# KiCad board panelized.kicad_pcb (continued)
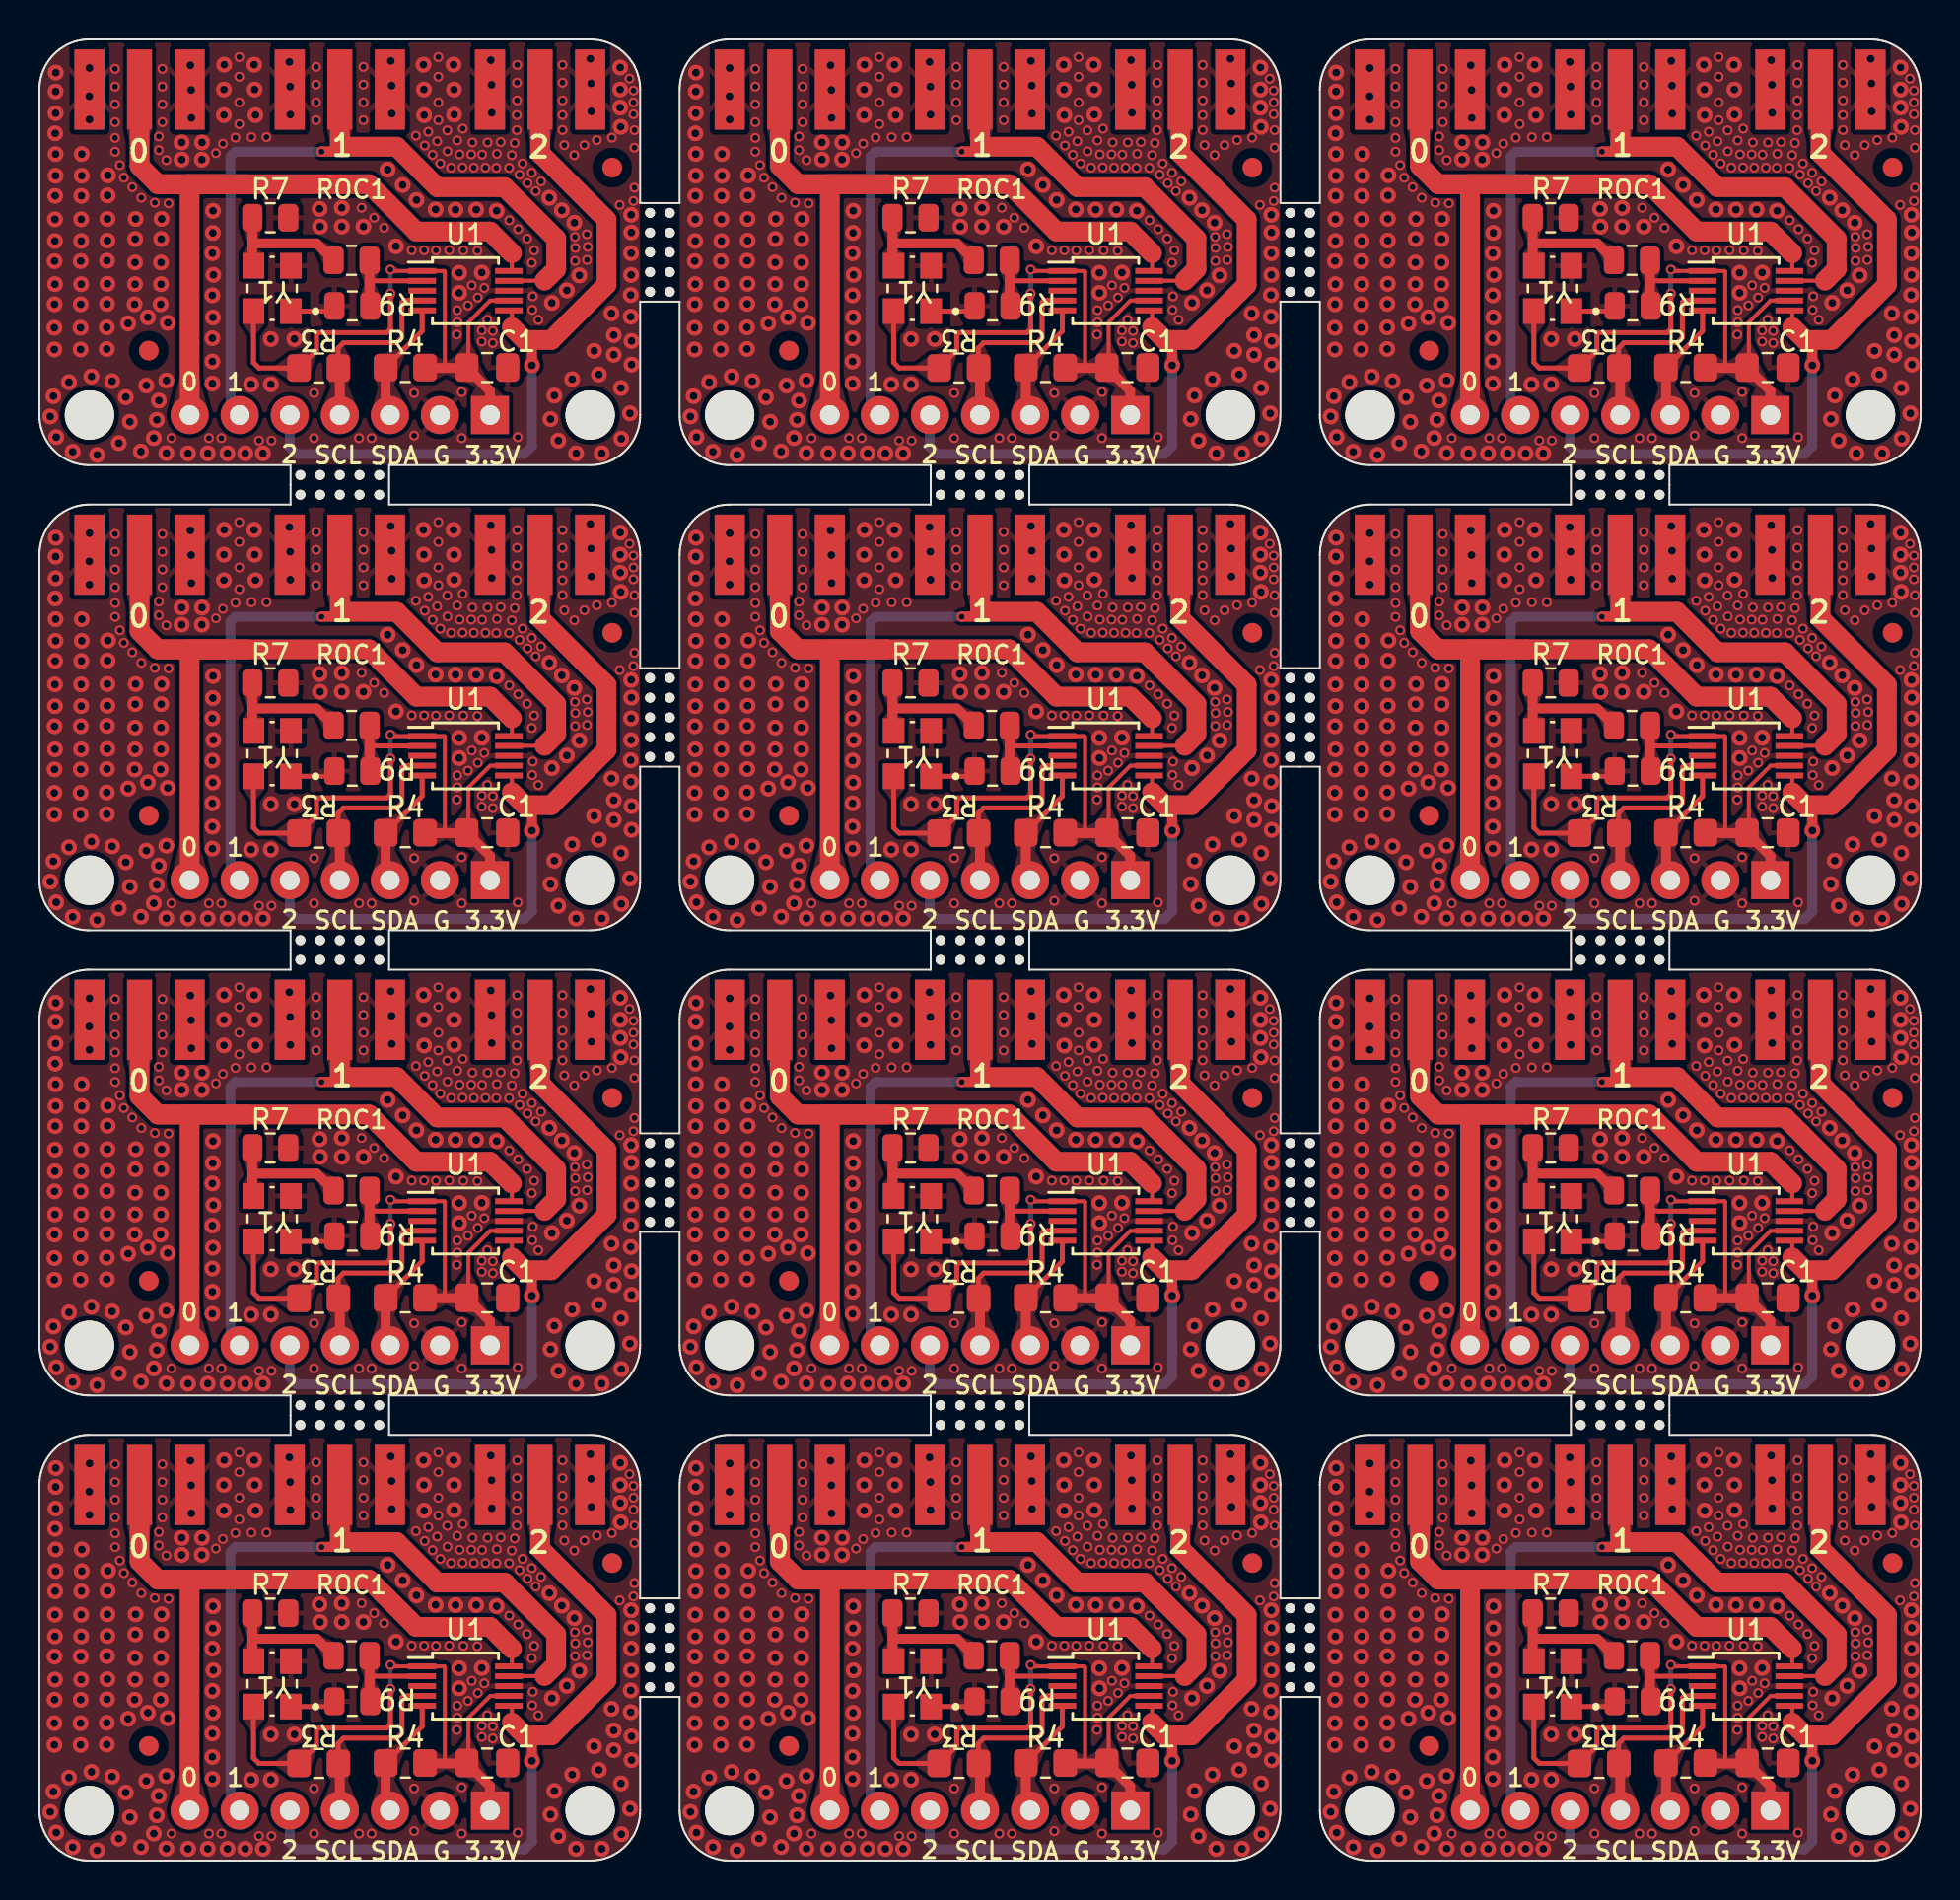
[diagram p0: board, top side]
## Placement (name value [footprint] x y rotation side) (continued)
REF**#39  -  [NPTH]  63.46 8.8 0 top
REF**#40  -  [NPTH]  79.2 69.27 0 top
REF**#41  -  [NPTH]  31.98 81.56 0 top
REF**#42  -  [NPTH]  31.98 32.39 0 top
REF**#43  -  [NPTH]  46.72 45.68 0 top
REF**#44  -  [NPTH]  47.72 23.09 0 top
REF**#45  -  [NPTH]  13.24 69.27 0 top
REF**#46  -  [NPTH]  48.72 45.68 0 top
REF**#47  -  [NPTH]  46.72 70.27 0 top
REF**#48  -  [NPTH]  47.72 22.09 0 top
REF**#49  -  [NPTH]  45.72 46.68 0 top
REF**#50  -  [NPTH]  31.98 34.39 0 top
REF**#51  -  [NPTH]  30.98 35.39 0 top
REF**#52  -  [NPTH]  79.2 46.68 0 top
REF**#53  -  [NPTH]  78.2 70.27 0 top
REF**#54  -  [NPTH]  30.98 80.56 0 top
REF**#55  -  [NPTH]  16.24 22.09 0 top
REF**#56  -  [NPTH]  80.2 23.09 0 top
REF**#57  -  [NPTH]  48.72 69.27 0 top
REF**#58  -  [NPTH]  79.2 23.09 0 top
REF**#59  -  [NPTH]  31.98 33.39 0 top
REF**#60  -  [NPTH]  31.98 11.8 0 top
REF**#61  -  [NPTH]  64.46 34.39 0 top
REF**#62  -  [NPTH]  31.98 8.8 0 top
REF**#63  -  [NPTH]  64.46 79.56 0 top
REF**#64  -  [NPTH]  30.98 58.98 0 top
REF**#65  -  [NPTH]  63.46 80.56 0 top
REF**#66  -  [NPTH]  15.24 23.09 0 top
REF**#67  -  [NPTH]  47.72 69.27 0 top
REF**#68  -  [NPTH]  64.46 83.56 0 top
REF**#69  -  [NPTH]  15.24 45.68 0 top
REF**#70  -  [NPTH]  15.24 22.09 0 top
REF**#71  -  [NPTH]  63.46 55.98 0 top
REF**#72  -  [NPTH]  64.46 8.8 0 top
REF**#73  -  [NPTH]  31.98 83.56 0 top
REF**#74  -  [NPTH]  49.72 45.68 0 top
REF**#75  -  [NPTH]  31.98 59.98 0 top
REF**#76  -  [NPTH]  80.2 70.27 0 top
REF**#77  -  [NPTH]  64.46 82.56 0 top
REF**#78  -  [NPTH]  64.46 33.39 0 top
REF**#79  -  [NPTH]  63.46 36.39 0 top
REF**#80  -  [NPTH]  14.24 23.09 0 top
REF**#81  -  [NPTH]  63.46 79.56 0 top
REF**#82  -  [NPTH]  30.98 8.8 0 top
REF**#83  -  [NPTH]  78.2 45.68 0 top
REF**#84  -  [NPTH]  31.98 80.56 0 top
REF**#85  -  [NPTH]  31.98 56.98 0 top
REF**#86  -  [NPTH]  17.24 23.09 0 top
REF**#87  -  [NPTH]  13.24 45.68 0 top
REF**#88  -  [NPTH]  81.2 69.27 0 top
REF**#89  -  [NPTH]  17.24 69.27 0 top
REF**#90  -  [NPTH]  14.24 46.68 0 top
REF**#91  -  [NPTH]  79.2 22.09 0 top
REF**#92  -  [NPTH]  31.98 35.39 0 top
REF**#93  -  [NPTH]  31.98 82.56 0 top
REF**#94  -  [NPTH]  49.72 22.09 0 top
REF**#95  -  [NPTH]  81.2 70.27 0 top
REF**#96  -  [NPTH]  16.24 46.68 0 top
REF**#97  -  [NPTH]  45.72 23.09 0 top
REF**#98  -  [NPTH]  63.46 34.39 0 top
REF**#99  -  [NPTH]  82.2 23.09 0 top
REF**#100  -  [NPTH]  17.24 45.68 0 top
REF**#101  -  [NPTH]  13.24 23.09 0 top
REF**#102  -  [NPTH]  79.2 70.27 0 top
REF**#103  -  [NPTH]  31.98 57.98 0 top
REF**#104  -  [NPTH]  81.2 45.68 0 top
REF**#105  -  [NPTH]  48.72 70.27 0 top
REF**#106  -  [NPTH]  63.46 58.98 0 top
REF**#107  -  [NPTH]  64.46 59.98 0 top
REF**#108  -  [NPTH]  48.72 23.09 0 top
REF**#109  -  [NPTH]  16.24 45.68 0 top
REF**#110  -  [NPTH]  45.72 70.27 0 top
REF**#111  -  [NPTH]  64.46 58.98 0 top
REF**#112  -  [NPTH]  17.24 46.68 0 top
REF**#113  -  [NPTH]  63.46 35.39 0 top
REF**#114  -  [NPTH]  47.72 45.68 0 top
REF**#115  -  [NPTH]  30.98 36.39 0 top
REF**#116  -  [NPTH]  64.46 11.8 0 top
REF**#117  -  [NPTH]  30.98 59.98 0 top
REF**#118  -  [NPTH]  63.46 32.39 0 top
REF**#119  -  [NPTH]  81.2 22.09 0 top
REF**#120  -  [NPTH]  64.46 56.98 0 top
REF**#121  -  [NPTH]  17.24 70.27 0 top
REF**#122  -  [NPTH]  13.24 22.09 0 top
REF**#123  -  [NPTH]  46.72 69.27 0 top
REF**#124  -  [NPTH]  30.98 81.56 0 top
REF**#125  -  [NPTH]  63.46 11.8 0 top
REF**#126  -  [NPTH]  15.24 69.27 0 top
REF**#127  -  [NPTH]  63.46 10.8 0 top
REF**#128  -  [NPTH]  63.46 56.98 0 top
REF**#129  -  [NPTH]  30.98 10.8 0 top
REF**#130  -  [NPTH]  64.46 32.39 0 top
REF**#131  -  [NPTH]  46.72 46.68 0 top
REF**#132  -  [NPTH]  64.46 12.8 0 top
REF**#133  -  [NPTH]  16.24 69.27 0 top
REF**#134  -  [NPTH]  14.24 69.27 0 top
REF**#135  -  [NPTH]  30.98 79.56 0 top
REF**#136  -  [NPTH]  14.24 70.27 0 top
REF**#137  -  [NPTH]  31.98 36.39 0 top
REF**#138  -  [NPTH]  78.2 22.09 0 top
REF**#139  -  [NPTH]  30.98 56.98 0 top
REF**#140  -  [NPTH]  15.24 46.68 0 top
REF**#141  -  [NPTH]  13.24 46.68 0 top
REF**#142  -  [NPTH]  47.72 70.27 0 top
REF**#143  -  [NPTH]  64.46 35.39 0 top
REF**#144  -  [NPTH]  16.24 70.27 0 top
REF**#145  -  [NPTH]  15.24 70.27 0 top
REF**#146  -  [NPTH]  64.46 10.8 0 top
REF**#147  -  [NPTH]  49.72 70.27 0 top
REF**#148  -  [NPTH]  64.46 57.98 0 top
REF**#149  -  [NPTH]  49.72 23.09 0 top
REF**#150  -  [NPTH]  78.2 69.27 0 top
REF**#151  -  [NPTH]  31.98 79.56 0 top
REF**#152  -  [NPTH]  46.72 22.09 0 top
REF**#153  -  [NPTH]  30.98 82.56 0 top
REF**#154  -  [NPTH]  63.46 81.56 0 top
REF**#155  -  [NPTH]  48.72 46.68 0 top
REF**#156  -  [NPTH]  13.24 70.27 0 top
REF**#157  -  [NPTH]  78.2 23.09 0 top
REF**#158  -  [NPTH]  16.24 23.09 0 top
REF**#159  -  [NPTH]  45.72 22.09 0 top
REF**#160  -  [NPTH]  30.98 11.8 0 top
REF**#161  -  [NPTH]  82.2 45.68 0 top
REF**#162  -  [NPTH]  63.46 57.98 0 top
REF**#163  -  [NPTH]  49.72 69.27 0 top
REF**#164  -  [NPTH]  78.2 46.68 0 top
REF**#165  -  [NPTH]  81.2 46.68 0 top
REF**#166  -  [NPTH]  80.2 46.68 0 top
REF**#167  -  [NPTH]  30.98 9.8 0 top
REF**#168  -  [NPTH]  63.46 9.8 0 top
REF**#169  -  [NPTH]  31.98 12.8 0 top
REF**#170  -  [NPTH]  64.46 55.98 0 top
ROC1  64.9E / 100nF  [R_0805_2012Metric]  15.84 10.39 0 top
ROC1#2  64.9E / 100nF  [R_0805_2012Metric]  48.32 10.39 0 top
ROC1#3  64.9E / 100nF  [R_0805_2012Metric]  80.8 81.16 0 top
ROC1#4  64.9E / 100nF  [R_0805_2012Metric]  48.32 57.57 0 top
ROC1#5  64.9E / 100nF  [R_0805_2012Metric]  80.8 33.98 0 top
ROC1#6  64.9E / 100nF  [R_0805_2012Metric]  15.84 33.98 0 top
ROC1#7  64.9E / 100nF  [R_0805_2012Metric]  80.8 57.57 0 top
ROC1#8  64.9E / 100nF  [R_0805_2012Metric]  48.32 81.16 0 top
ROC1#9  64.9E / 100nF  [R_0805_2012Metric]  48.32 33.98 0 top
ROC1#10  64.9E / 100nF  [R_0805_2012Metric]  80.8 10.39 0 top
ROC1#11  64.9E / 100nF  [R_0805_2012Metric]  15.84 81.16 0 top
ROC1#12  64.9E / 100nF  [R_0805_2012Metric]  15.84 57.57 0 top
U1  SI5351A  [MSOP-10_3x3mm_P0.5mm]  86.58 79.62 0 top
U1#2  SI5351A  [MSOP-10_3x3mm_P0.5mm]  54.1 56.03 0 top
U1#3  SI5351A  [MSOP-10_3x3mm_P0.5mm]  21.62 56.03 0 top
U1#4  SI5351A  [MSOP-10_3x3mm_P0.5mm]  21.62 8.85 0 top
U1#5  SI5351A  [MSOP-10_3x3mm_P0.5mm]  54.1 32.44 0 top
U1#6  SI5351A  [MSOP-10_3x3mm_P0.5mm]  54.1 8.85 0 top
U1#7  SI5351A  [MSOP-10_3x3mm_P0.5mm]  86.58 8.85 0 top
U1#8  SI5351A  [MSOP-10_3x3mm_P0.5mm]  86.58 32.44 0 top
U1#9  SI5351A  [MSOP-10_3x3mm_P0.5mm]  86.58 56.03 0 top
U1#10  SI5351A  [MSOP-10_3x3mm_P0.5mm]  54.1 79.62 0 top
U1#11  SI5351A  [MSOP-10_3x3mm_P0.5mm]  21.62 32.44 0 top
U1#12  SI5351A  [MSOP-10_3x3mm_P0.5mm]  21.62 79.62 0 top
X1  ~  [SMA_EDGELAUNCH_Same]  5.08 68.26 270 top
X1#2  ~  [SMA_EDGELAUNCH_Same]  5.08 91.85 270 top
X1#3  ~  [SMA_EDGELAUNCH_Same]  5.08 21.08 270 top
X1#4  ~  [SMA_EDGELAUNCH_Same]  37.56 68.26 270 top
X1#5  ~  [SMA_EDGELAUNCH_Same]  37.56 44.67 270 top
X1#6  ~  [SMA_EDGELAUNCH_Same]  37.56 91.85 270 top
X1#7  ~  [SMA_EDGELAUNCH_Same]  70.04 91.85 270 top
X1#8  ~  [SMA_EDGELAUNCH_Same]  37.56 21.08 270 top
X1#9  ~  [SMA_EDGELAUNCH_Same]  5.08 44.67 270 top
X1#10  ~  [SMA_EDGELAUNCH_Same]  70.04 21.08 270 top
X1#11  ~  [SMA_EDGELAUNCH_Same]  70.04 68.26 270 top
X1#12  ~  [SMA_EDGELAUNCH_Same]  70.04 44.67 270 top
X2  ~  [SMA_EDGELAUNCH_Same]  80.2 21.08 270 top
X2#2  ~  [SMA_EDGELAUNCH_Same]  80.2 68.26 270 top
X2#3  ~  [SMA_EDGELAUNCH_Same]  47.72 68.26 270 top
X2#4  ~  [SMA_EDGELAUNCH_Same]  15.24 91.85 270 top
X2#5  ~  [SMA_EDGELAUNCH_Same]  15.24 44.67 270 top
X2#6  ~  [SMA_EDGELAUNCH_Same]  80.2 44.67 270 top
X2#7  ~  [SMA_EDGELAUNCH_Same]  15.24 21.08 270 top
X2#8  ~  [SMA_EDGELAUNCH_Same]  47.72 91.85 270 top
X2#9  ~  [SMA_EDGELAUNCH_Same]  15.24 68.26 270 top
X2#10  ~  [SMA_EDGELAUNCH_Same]  47.72 21.08 270 top
X2#11  ~  [SMA_EDGELAUNCH_Same]  47.72 44.67 270 top
X2#12  ~  [SMA_EDGELAUNCH_Same]  80.2 91.85 270 top
X3  ~  [SMA_EDGELAUNCH_Same]  57.88 44.67 270 top
X3#2  ~  [SMA_EDGELAUNCH_Same]  25.4 91.85 270 top
X3#3  ~  [SMA_EDGELAUNCH_Same]  25.4 21.08 270 top
X3#4  ~  [SMA_EDGELAUNCH_Same]  57.88 68.26 270 top
X3#5  ~  [SMA_EDGELAUNCH_Same]  90.36 68.26 270 top
X3#6  ~  [SMA_EDGELAUNCH_Same]  25.4 44.67 270 top
X3#7  ~  [SMA_EDGELAUNCH_Same]  90.36 21.08 270 top
X3#8  ~  [SMA_EDGELAUNCH_Same]  57.88 21.08 270 top
X3#9  ~  [SMA_EDGELAUNCH_Same]  90.36 91.85 270 top
X3#10  ~  [SMA_EDGELAUNCH_Same]  57.88 91.85 270 top
X3#11  ~  [SMA_EDGELAUNCH_Same]  25.4 68.26 270 top
X3#12  ~  [SMA_EDGELAUNCH_Same]  90.36 44.67 270 top
Y1  OSCILLATOR  [XTAL_ASTX-H11-25.000MHZ-T-Same]  44.29 79.73 180 top
Y1#2  OSCILLATOR  [XTAL_ASTX-H11-25.000MHZ-T-Same]  11.81 56.14 180 top
Y1#3  OSCILLATOR  [XTAL_ASTX-H11-25.000MHZ-T-Same]  76.77 8.96 180 top
Y1#4  OSCILLATOR  [XTAL_ASTX-H11-25.000MHZ-T-Same]  76.77 79.73 180 top
Y1#5  OSCILLATOR  [XTAL_ASTX-H11-25.000MHZ-T-Same]  76.77 56.14 180 top
Y1#6  OSCILLATOR  [XTAL_ASTX-H11-25.000MHZ-T-Same]  11.81 79.73 180 top
Y1#7  OSCILLATOR  [XTAL_ASTX-H11-25.000MHZ-T-Same]  44.29 8.96 180 top
Y1#8  OSCILLATOR  [XTAL_ASTX-H11-25.000MHZ-T-Same]  44.29 56.14 180 top
Y1#9  OSCILLATOR  [XTAL_ASTX-H11-25.000MHZ-T-Same]  11.81 32.55 180 top
Y1#10  OSCILLATOR  [XTAL_ASTX-H11-25.000MHZ-T-Same]  44.29 32.55 180 top
Y1#11  OSCILLATOR  [XTAL_ASTX-H11-25.000MHZ-T-Same]  11.81 8.96 180 top
Y1#12  OSCILLATOR  [XTAL_ASTX-H11-25.000MHZ-T-Same]  76.77 32.55 180 top

## Library data of the parts
C1 C1#2-C1#12 = -: Description: Unpolarized capacitor, small symbol
R3 R3#2-R3#12 R4 R4#2-R4#12 = -: Description: Resistor, small symbol
R7 R7#2-R7#12 R9 R9#2-R9#12 ROC1 ROC1#2-ROC1#12 = -: Description: Resistor

## Footprints (pads in the part's own frame, mm; a bottom-side part is the same pattern mirrored in y, then rotated)
1X07_ROUND_76
  rect 1.93x1.93 hole 1: 1(-7.62,0)
  round 1.93 hole 1: 2(-5.08,0) 3(-2.54,0) 4(0,0) 5(2.54,0) 6(5.08,0) 7(7.62,0)
C_0805_2012Metric_Pad1.18x1.45mm_HandSolder
  rrect 1.175x1.45 smd: 1(-1.038,0) 2(1.038,0)
Fiducial_1mm_Mask2mm
  round 1 smd: (0,0)
MountingHole_2.5mm
  round 2.5 hole 2.5 unplated: (0,0)
MSOP-10_3x3mm_P0.5mm
  rect 1.4x0.3 smd: 1(-2.2,1) 2(-2.2,0.5) 3(-2.2,0) 4(-2.2,-0.5) 5(-2.2,-1) 6(2.2,-1) 7(2.2,-0.5) 8(2.2,0) 9(2.2,0.5) 10(2.2,1)
NPTH
  round 0.5 hole 0.5 unplated: (0,0)
R_0805_2012Metric
  rrect 1.025x1.4 smd: 1(-0.912,0) 2(0.912,0)
R_0805_2012Metric_Pad1.20x1.40mm_HandSolder
  rrect 1.2x1.4 smd: 1(-1,0) 2(1,0)
SMA_EDGELAUNCH_Same
  rect 4.064x1.524 smd: GND@1(2.032,-2.54) GND@2(2.032,2.54)
  rect 4.064x1.524 smd far side: GND@3(2.032,2.54) GND@4(2.032,-2.54)
  rect 4.064x1.27 smd: P(2.032,0)
XTAL_ASTX-H11-25.000MHZ-T-Same
  rect 1.1x1.3 smd: 1(-0.95,1.15) 2(-0.95,-1.15) 3(0.95,-1.15) 4(0.95,1.15)

## Nets
Board_0-+3.3V: C1#7.1 JP1#5.1 R3#8.2 R4#2.2 U1#12.1 U1#12.7 Y1#6.4
Board_0-/CLK0: JP1#5.7 U1#12.10 X1#2.P
Board_0-/CLK1: JP1#5.6 U1#12.9 X2#4.P
Board_0-/CLK2: JP1#5.5 U1#12.6 X3#2.P
Board_0-/SCL_3V: JP1#5.4 R3#8.1 U1#12.4
Board_0-/SDA_3V: JP1#5.3 R4#2.1 U1#12.5
Board_0-GND: C1#7.2 JP1#5.2 R7#9.2 R9#12.2 U1#12.8 X1#2.GND@1 X1#2.GND@2 X1#2.GND@3 X1#2.GND@4 X2#4.GND@1 X2#4.GND@2 X2#4.GND@3 X2#4.GND@4 X3#2.GND@1 X3#2.GND@2 X3#2.GND@3 X3#2.GND@4 Y1#6.1 Y1#6.2
Board_0-Net-(U1-XA): R9#12.1 ROC1#11.2 U1#12.2
Board_0-Net-(Y1-OUT): R7#9.1 ROC1#11.1 Y1#6.3
Board_0-unconnected-(U1-XB-Pad3): U1#12.3
Board_1-+3.3V: C1#10.1 JP1#10.1 R3#3.2 R4#8.2 U1#10.1 U1#10.7 Y1.4
Board_1-/CLK0: JP1#10.7 U1#10.10 X1#6.P
Board_1-/CLK1: JP1#10.6 U1#10.9 X2#8.P
Board_1-/CLK2: JP1#10.5 U1#10.6 X3#10.P
Board_1-/SCL_3V: JP1#10.4 R3#3.1 U1#10.4
Board_1-/SDA_3V: JP1#10.3 R4#8.1 U1#10.5
Board_1-GND: C1#10.2 JP1#10.2 R7#10.2 R9.2 U1#10.8 X1#6.GND@1 X1#6.GND@2 X1#6.GND@3 X1#6.GND@4 X2#8.GND@1 X2#8.GND@2 X2#8.GND@3 X2#8.GND@4 X3#10.GND@1 X3#10.GND@2 X3#10.GND@3 X3#10.GND@4 Y1.1 Y1.2
Board_1-Net-(U1-XA): R9.1 ROC1#8.2 U1#10.2
Board_1-Net-(Y1-OUT): R7#10.1 ROC1#8.1 Y1.3
Board_1-unconnected-(U1-XB-Pad3): U1#10.3
Board_2-+3.3V: C1#3.1 JP1#12.1 R3#11.2 R4#12.2 U1.1 U1.7 Y1#4.4
Board_2-/CLK0: JP1#12.7 U1.10 X1#7.P
Board_2-/CLK1: JP1#12.6 U1.9 X2#12.P
Board_2-/CLK2: JP1#12.5 U1.6 X3#9.P
Board_2-/SCL_3V: JP1#12.4 R3#11.1 U1.4
Board_2-/SDA_3V: JP1#12.3 R4#12.1 U1.5
Board_2-GND: C1#3.2 JP1#12.2 R7#3.2 R9#11.2 U1.8 X1#7.GND@1 X1#7.GND@2 X1#7.GND@3 X1#7.GND@4 X2#12.GND@1 X2#12.GND@2 X2#12.GND@3 X2#12.GND@4 X3#9.GND@1 X3#9.GND@2 X3#9.GND@3 X3#9.GND@4 Y1#4.1 Y1#4.2
Board_2-Net-(U1-XA): R9#11.1 ROC1#3.2 U1.2
Board_2-Net-(Y1-OUT): R7#3.1 ROC1#3.1 Y1#4.3
Board_2-unconnected-(U1-XB-Pad3): U1.3
Board_3-+3.3V: C1#11.1 JP1#8.1 R3#10.2 R4#6.2 U1#3.1 U1#3.7 Y1#2.4
Board_3-/CLK0: JP1#8.7 U1#3.10 X1.P
Board_3-/CLK1: JP1#8.6 U1#3.9 X2#9.P
Board_3-/CLK2: JP1#8.5 U1#3.6 X3#11.P
Board_3-/SCL_3V: JP1#8.4 R3#10.1 U1#3.4
Board_3-/SDA_3V: JP1#8.3 R4#6.1 U1#3.5
Board_3-GND: C1#11.2 JP1#8.2 R7.2 R9#9.2 U1#3.8 X1.GND@1 X1.GND@2 X1.GND@3 X1.GND@4 X2#9.GND@1 X2#9.GND@2 X2#9.GND@3 X2#9.GND@4 X3#11.GND@1 X3#11.GND@2 X3#11.GND@3 X3#11.GND@4 Y1#2.1 Y1#2.2
Board_3-Net-(U1-XA): R9#9.1 ROC1#12.2 U1#3.2
Board_3-Net-(Y1-OUT): R7.1 ROC1#12.1 Y1#2.3
Board_3-unconnected-(U1-XB-Pad3): U1#3.3
Board_4-+3.3V: C1#2.1 JP1.1 R3#4.2 R4#9.2 U1#2.1 U1#2.7 Y1#8.4
Board_4-/CLK0: JP1.7 U1#2.10 X1#4.P
Board_4-/CLK1: JP1.6 U1#2.9 X2#3.P
Board_4-/CLK2: JP1.5 U1#2.6 X3#4.P
Board_4-/SCL_3V: JP1.4 R3#4.1 U1#2.4
Board_4-/SDA_3V: JP1.3 R4#9.1 U1#2.5
Board_4-GND: C1#2.2 JP1.2 R7#11.2 R9#10.2 U1#2.8 X1#4.GND@1 X1#4.GND@2 X1#4.GND@3 X1#4.GND@4 X2#3.GND@1 X2#3.GND@2 X2#3.GND@3 X2#3.GND@4 X3#4.GND@1 X3#4.GND@2 X3#4.GND@3 X3#4.GND@4 Y1#8.1 Y1#8.2
Board_4-Net-(U1-XA): R9#10.1 ROC1#4.2 U1#2.2
Board_4-Net-(Y1-OUT): R7#11.1 ROC1#4.1 Y1#8.3
Board_4-unconnected-(U1-XB-Pad3): U1#2.3
Board_5-+3.3V: C1#4.1 JP1#3.1 R3#2.2 R4#10.2 U1#9.1 U1#9.7 Y1#5.4
Board_5-/CLK0: JP1#3.7 U1#9.10 X1#11.P
Board_5-/CLK1: JP1#3.6 U1#9.9 X2#2.P
Board_5-/CLK2: JP1#3.5 U1#9.6 X3#5.P
Board_5-/SCL_3V: JP1#3.4 R3#2.1 U1#9.4
Board_5-/SDA_3V: JP1#3.3 R4#10.1 U1#9.5
Board_5-GND: C1#4.2 JP1#3.2 R7#12.2 R9#4.2 U1#9.8 X1#11.GND@1 X1#11.GND@2 X1#11.GND@3 X1#11.GND@4 X2#2.GND@1 X2#2.GND@2 X2#2.GND@3 X2#2.GND@4 X3#5.GND@1 X3#5.GND@2 X3#5.GND@3 X3#5.GND@4 Y1#5.1 Y1#5.2
Board_5-Net-(U1-XA): R9#4.1 ROC1#7.2 U1#9.2
Board_5-Net-(Y1-OUT): R7#12.1 ROC1#7.1 Y1#5.3
Board_5-unconnected-(U1-XB-Pad3): U1#9.3
Board_6-+3.3V: C1#6.1 JP1#2.1 R3.2 R4#4.2 U1#11.1 U1#11.7 Y1#9.4
Board_6-/CLK0: JP1#2.7 U1#11.10 X1#9.P
Board_6-/CLK1: JP1#2.6 U1#11.9 X2#5.P
Board_6-/CLK2: JP1#2.5 U1#11.6 X3#6.P
Board_6-/SCL_3V: JP1#2.4 R3.1 U1#11.4
Board_6-/SDA_3V: JP1#2.3 R4#4.1 U1#11.5
Board_6-GND: C1#6.2 JP1#2.2 R7#2.2 R9#7.2 U1#11.8 X1#9.GND@1 X1#9.GND@2 X1#9.GND@3 X1#9.GND@4 X2#5.GND@1 X2#5.GND@2 X2#5.GND@3 X2#5.GND@4 X3#6.GND@1 X3#6.GND@2 X3#6.GND@3 X3#6.GND@4 Y1#9.1 Y1#9.2
Board_6-Net-(U1-XA): R9#7.1 ROC1#6.2 U1#11.2
Board_6-Net-(Y1-OUT): R7#2.1 ROC1#6.1 Y1#9.3
Board_6-unconnected-(U1-XB-Pad3): U1#11.3
Board_7-+3.3V: C1#5.1 JP1#6.1 R3#7.2 R4#11.2 U1#5.1 U1#5.7 Y1#10.4
Board_7-/CLK0: JP1#6.7 U1#5.10 X1#5.P
Board_7-/CLK1: JP1#6.6 U1#5.9 X2#11.P
Board_7-/CLK2: JP1#6.5 U1#5.6 X3.P
Board_7-/SCL_3V: JP1#6.4 R3#7.1 U1#5.4
Board_7-/SDA_3V: JP1#6.3 R4#11.1 U1#5.5
Board_7-GND: C1#5.2 JP1#6.2 R7#7.2 R9#2.2 U1#5.8 X1#5.GND@1 X1#5.GND@2 X1#5.GND@3 X1#5.GND@4 X2#11.GND@1 X2#11.GND@2 X2#11.GND@3 X2#11.GND@4 X3.GND@1 X3.GND@2 X3.GND@3 X3.GND@4 Y1#10.1 Y1#10.2
Board_7-Net-(U1-XA): R9#2.1 ROC1#9.2 U1#5.2
Board_7-Net-(Y1-OUT): R7#7.1 ROC1#9.1 Y1#10.3
Board_7-unconnected-(U1-XB-Pad3): U1#5.3
Board_8-+3.3V: C1#8.1 JP1#11.1 R3#12.2 R4#5.2 U1#8.1 U1#8.7 Y1#12.4
Board_8-/CLK0: JP1#11.7 U1#8.10 X1#12.P
Board_8-/CLK1: JP1#11.6 U1#8.9 X2#6.P
Board_8-/CLK2: JP1#11.5 U1#8.6 X3#12.P
Board_8-/SCL_3V: JP1#11.4 R3#12.1 U1#8.4
Board_8-/SDA_3V: JP1#11.3 R4#5.1 U1#8.5
Board_8-GND: C1#8.2 JP1#11.2 R7#6.2 R9#5.2 U1#8.8 X1#12.GND@1 X1#12.GND@2 X1#12.GND@3 X1#12.GND@4 X2#6.GND@1 X2#6.GND@2 X2#6.GND@3 X2#6.GND@4 X3#12.GND@1 X3#12.GND@2 X3#12.GND@3 X3#12.GND@4 Y1#12.1 Y1#12.2
Board_8-Net-(U1-XA): R9#5.1 ROC1#5.2 U1#8.2
Board_8-Net-(Y1-OUT): R7#6.1 ROC1#5.1 Y1#12.3
Board_8-unconnected-(U1-XB-Pad3): U1#8.3
Board_9-+3.3V: C1#12.1 JP1#7.1 R3#9.2 R4.2 U1#4.1 U1#4.7 Y1#11.4
Board_9-/CLK0: JP1#7.7 U1#4.10 X1#3.P
Board_9-/CLK1: JP1#7.6 U1#4.9 X2#7.P
Board_9-/CLK2: JP1#7.5 U1#4.6 X3#3.P
Board_9-/SCL_3V: JP1#7.4 R3#9.1 U1#4.4
Board_9-/SDA_3V: JP1#7.3 R4.1 U1#4.5
Board_9-GND: C1#12.2 JP1#7.2 R7#5.2 R9#6.2 U1#4.8 X1#3.GND@1 X1#3.GND@2 X1#3.GND@3 X1#3.GND@4 X2#7.GND@1 X2#7.GND@2 X2#7.GND@3 X2#7.GND@4 X3#3.GND@1 X3#3.GND@2 X3#3.GND@3 X3#3.GND@4 Y1#11.1 Y1#11.2
Board_9-Net-(U1-XA): R9#6.1 ROC1.2 U1#4.2
Board_9-Net-(Y1-OUT): R7#5.1 ROC1.1 Y1#11.3
Board_9-unconnected-(U1-XB-Pad3): U1#4.3
Board_10-+3.3V: C1#9.1 JP1#4.1 R3#6.2 R4#3.2 U1#6.1 U1#6.7 Y1#7.4
Board_10-/CLK0: JP1#4.7 U1#6.10 X1#8.P
Board_10-/CLK1: JP1#4.6 U1#6.9 X2#10.P
Board_10-/CLK2: JP1#4.5 U1#6.6 X3#8.P
Board_10-/SCL_3V: JP1#4.4 R3#6.1 U1#6.4
Board_10-/SDA_3V: JP1#4.3 R4#3.1 U1#6.5
Board_10-GND: C1#9.2 JP1#4.2 R7#4.2 R9#3.2 U1#6.8 X1#8.GND@1 X1#8.GND@2 X1#8.GND@3 X1#8.GND@4 X2#10.GND@1 X2#10.GND@2 X2#10.GND@3 X2#10.GND@4 X3#8.GND@1 X3#8.GND@2 X3#8.GND@3 X3#8.GND@4 Y1#7.1 Y1#7.2
Board_10-Net-(U1-XA): R9#3.1 ROC1#2.2 U1#6.2
Board_10-Net-(Y1-OUT): R7#4.1 ROC1#2.1 Y1#7.3
Board_10-unconnected-(U1-XB-Pad3): U1#6.3
Board_11-+3.3V: C1.1 JP1#9.1 R3#5.2 R4#7.2 U1#7.1 U1#7.7 Y1#3.4
Board_11-/CLK0: JP1#9.7 U1#7.10 X1#10.P
Board_11-/CLK1: JP1#9.6 U1#7.9 X2.P
Board_11-/CLK2: JP1#9.5 U1#7.6 X3#7.P
Board_11-/SCL_3V: JP1#9.4 R3#5.1 U1#7.4
Board_11-/SDA_3V: JP1#9.3 R4#7.1 U1#7.5
Board_11-GND: C1.2 JP1#9.2 R7#8.2 R9#8.2 U1#7.8 X1#10.GND@1 X1#10.GND@2 X1#10.GND@3 X1#10.GND@4 X2.GND@1 X2.GND@2 X2.GND@3 X2.GND@4 X3#7.GND@1 X3#7.GND@2 X3#7.GND@3 X3#7.GND@4 Y1#3.1 Y1#3.2
Board_11-Net-(U1-XA): R9#8.1 ROC1#10.2 U1#7.2
Board_11-Net-(Y1-OUT): R7#8.1 ROC1#10.1 Y1#3.3
Board_11-unconnected-(U1-XB-Pad3): U1#7.3

## Via types
v1: diameter 0.5, hole 0.3, Top to Bottom, 1764 vias
v2: diameter 0.8, hole 0.4, Top to Bottom, 1788 vias
v3: diameter 0.8, hole 0.394, Top to Bottom, 192 vias

## Routing (per net, layer and track width the routed paths; a pad name or vN(x,y) marks a point on that pad's centre or on a via; arc(x,y) is an arc through that point)
Board_0-+3.3V: length 31.1
  Top w0.2: v1(17.81,80.69) 17.88,80.62 U1#12.1 20.54,80.62 20.57,80.59 20.57,75.82 ; U1#12.7 22.87,79.12 21.77,78.02 21.77,75.72
  Top w0.25: v1(17.81,79.48) 17.81,77.68 17.62,77.49 14.06,77.49 14.06,76.59 R3#8.2 11.14,75.7 10.86,75.98 Y1#6.4
  Top w0.5: C1#7.1 22.86,74.54 JP1#5.1 ; 21.57,75.7 19.75,75.7
  Bottom w0.25: v1(17.81,79.48) v1(17.81,80.69)
Board_0-/CLK0: length 43.5
  Top w0.2: 23.97,81.52 23.97,80.68
  Top w1: JP1#5.7 7.62,84.94 7.54,85.02 9.36,85.02 ; 23.97,81.52 22.87,82.62 19.12,82.62 16.72,85.02 10.5,85.02 ; 10.5,85.02 9.36,85.02 ; 10.5,85.02 6,85.02 ; 9.36,85.02 6,85.02 ; X1#2.P 5.08,85.94 6,85.02
Board_0-/CLK1: length 39.6
  Top w0.2: 25.63,80.13 23.96,80.13
  Top w0.25: 15,86.67 15.25,86.92 15.16,86.83
  Top w0.5: 15.58,86.92 15.35,86.68 14.33,86.68 v1(14.31,86.67) 15,86.67
  Top w1: X2#4.P 15.24,86.93 15.25,86.92 18.13,86.92 20.18,84.87 23.6,84.87 26.22,82.25 26.22,80.72 25.63,80.13
  Bottom w0.5: 14.21,86.67 9.94,86.67 9.69,86.42 9.69,73.78
Board_0-/CLK2: length 38.1
  Top w0.2: 23.97,77.77 23.97,78.57
  Top w0.25: 24.99,76.75 24.62,77.12
  Top w0.5: v2(24.99,75.83) 24.99,76.75
  Top w1: X3#2.P 25.4,86.59 28.77,83.22 28.77,79.92 25.97,77.12 24.62,77.12 23.97,77.77
  Bottom w0.5: v2(24.99,75.83) 24.99,71.74 24.59,71.34 13.06,71.34 12.7,71.7 JP1#5.5
Board_0-/SCL_3V: length 9.4
  Top w0.25: U1#12.4 18.48,79.12 18.39,79.03 18.39,77.24 18.13,76.98 15.42,76.98 15.16,76.71 15.16,75.89
  Top w0.5: JP1#5.4 15.24,75.61
Board_0-/SDA_3V: length 5.9
  Top w0.25: R4#2.1 19.42,77.57 U1#12.5
  Top w0.5: R4#2.1 17.56,73.53
Board_0-GND: length 2.3
  Top w0.25: Y1#6.1 14.7,78.58 R9#12.2
  vias: v1(3.84,90.87) v1(3.84,89.97) v1(3.84,89.07) v1(3.84,88.17) v1(3.84,87.37) v1(3.84,86.67) v1(4.08,85.98) v1(4.28,85.35) v1(4.71,84.87) v1(5.17,84.33) v1(5.85,84.08) v1(6.06,87.44) v1(6.06,86.75) v1(6.24,90.87) v1(6.24,89.97) v1(6.24,89.07) v1(6.24,88.17) v1(6.44,86.24) v1(6.55,84.05) v1(6.69,72.14) v1(8.6,72.14) v1(8.95,86.59) v1(9.23,72.14) v1(9.31,87.08) v1(9.94,87.38) v1(10.14,91.47) v1(10.14,90.47) v1(10.14,89.17) v1(10.14,88.07) v1(10.76,87.41) v1(11.14,72.01) v1(11.52,87.41) v1(11.77,72.01) v1(13.93,74.43) v1(13.93,72.14) v1(14.04,90.97) v1(14.04,90.07) v1(14.04,89.17) v1(14.04,88.27) v1(16.22,72.14) v1(16.34,83.83) v1(16.44,90.97) v1(16.44,90.07) v1(16.44,89.17) v1(16.44,88.27) v1(16.85,72.14) v1(16.98,83.32) v1(17.49,82.81) v1(18.88,81.67) v1(19.01,74.43) v1(19.01,72.27) v1(19.1,87.48) v1(19.55,86.98) v1(19.52,81.67) v1(19.73,87.68) v1(19.95,86.51) v1(20.12,81.66) v1(20.24,91.47) v1(20.24,90.47) v1(20.24,89.17) v1(20.24,88.27) v1(20.18,87.2) v1(20.34,86.07) v1(20.69,87.75) v1(20.7,86.69) v1(20.79,81.67) v1(20.88,85.86) v1(21.2,87.24) v1(21.2,78.63) v1(21.2,78.02) v1(21.18,77.4) v1(21.32,86.53) v1(21.47,85.87) v1(21.42,74.48) v1(21.42,72.14) v1(21.48,87.84) v1(21.51,81.66) v1(21.74,78.87) v1(21.97,87.14) v1(21.91,86.53) v1(21.93,79.89) v1(22.04,85.86) v1(22.22,81.64) v1(22.24,79.27) v1(22.46,86.52) v1(22.44,77.6) v1(22.44,77.04) v1(22.57,79.76) v1(22.63,85.86) v1(22.74,87.14) v1(22.72,78.14) v1(23,77.58) v1(23,76.97) v1(23.21,86.56) v1(23.18,85.85) v1(23.4,87.16) v1(23.83,85.85) v1(23.84,83.19) v1(23.96,86.49) v1(24.11,87.11) v1(24.24,91.07) v1(24.23,90.17) v1(24.23,89.27) v1(24.22,88.52) v1(24.22,87.76) v1(24.27,72.19) v1(24.36,85.5) v1(24.29,82.74) v1(24.51,86.07) v1(24.77,85.07) v1(24.74,82.26) v1(24.98,85.6) v1(24.98,81.03) v1(25.03,79.33) v1(25.01,78.64) v1(25.1,81.66) v1(25.18,84.67) v1(25.31,78.14) v1(25.45,85.16) v1(26.54,91.07) v1(26.54,90.17) v1(26.54,89.27) v1(26.54,88.52) v1(26.54,87.77) v1(26.63,87) v1(27.14,86.49) v1(27.17,82.35) v1(27.19,81.79) v1(27.18,81.13) v1(27.65,87) v1(27.77,82.48) v1(27.82,81.84) v1(27.78,81.18) v1(28.28,87.25) v1(29.04,87.38) v1(29.44,83.97) v1(29.94,90.37) v1(30.14,89.77) v1(30.14,89.17) v1(30.14,88.57) v1(30.14,84.17) v1(30.19,87.76) v1(30.19,86.87) v1(30.19,84.84) v2(0.55,73.24) v2(0.77,81.12) v2(0.77,78.93) v2(0.76,77.74) v2(0.76,76.64) v2(0.71,74.27) v2(0.83,90.68) v2(0.82,89.72) v2(0.82,88.62) v2(0.8,87.6) v2(0.82,86.55) v2(0.82,85.45) v2(0.8,84.43) v2(0.79,83.24) v2(0.79,82.14) v2(0.79,79.95) v2(0.85,72.19) v2(1.5,74.98) v2(1.69,71.45) v2(2.15,86.55) v2(2.15,85.45) v2(2.13,84.43) v2(2.12,83.24) v2(2.12,82.14) v2(2.1,81.12) v2(2.12,79.95) v2(2.1,78.93) v2(2.09,77.74) v2(2.09,76.64) v2(2.54,90.91) v2(2.53,89.48) v2(2.54,88.3) v2(2.64,75.27) v2(2.93,71.29) v2(3.46,84.45) v2(3.45,83.26) v2(3.45,82.16) v2(3.43,81.14) v2(3.45,79.97) v2(3.43,78.95) v2(3.42,77.76) v2(3.42,76.66) v2(3.48,85.47) v2(3.69,75.03) v2(4.03,71.89) v2(4.38,74.22) v2(4.5,77.96) v2(4.59,72.97) v2(4.86,82.24) v2(4.85,81.05) v2(4.85,79.95) v2(4.83,78.93) v2(4.88,83.26) v2(5.15,71.46) v2(5.42,74.81) v2(5.5,78.27) v2(5.8,72.14) v2(5.96,73.07) v2(6.06,74.05) v2(6.17,81.05) v2(6.17,79.95) v2(6.15,78.93) v2(6.2,83.26) v2(6.18,82.24) v2(6.44,75.06) v2(6.44,71.38) v2(6.51,77.99) v2(7.22,87.14) v2(7.22,86.27) v2(7.54,71.37) v2(7.66,91.05) v2(7.7,89.8) v2(7.71,88.38) v2(8.25,87.14) v2(8.24,86.27) v2(8.54,71.37) v2(8.81,83.67) v2(8.8,82.55) v2(8.78,81.52) v2(8.83,80.42) v2(8.78,79.38) v2(8.8,78.26) v2(8.78,77.21) v2(8.78,76.03) v2(8.78,74.91) v2(9.54,71.37) v2(10.44,71.37) v2(10.74,74.87) v2(11.34,71.37) v2(11.74,77.17) v2(11.74,74.87) v2(12.68,91.22) v2(12.72,89.97) v2(12.73,88.55) v2(12.94,77.17) v2(14.21,83.77) v2(14.24,82.87) v2(15.34,83.82) v2(15.34,82.87) v2(16.44,82.87) v2(17.67,85.76) v2(17.83,91.27) v2(17.87,90.02) v2(17.88,88.6) v2(18.09,81.87) v2(18.43,84.98) v2(19.13,84.22) v2(20.1,83.74) v2(21.11,83.73) v2(21.3,80.53) v2(21.3,79.51) v2(22.16,83.73) v2(22.44,80.54) v2(22.9,91.31) v2(22.94,90.06) v2(22.95,88.64) v2(23.2,83.67) v2(25.87,84.33) v2(25.93,73.11) v2(26,79) v2(26.12,74.3) v2(26.33,72.01) v2(26.5,83.7) v2(26.76,79.63) v2(27.03,75.13) v2(27.14,83.06) v2(27.23,71.37) v2(27.39,80.4) v2(27.95,91.38) v2(27.99,90.13) v2(28,88.71) v2(28.14,76.57) v2(28.38,75.37) v2(28.53,71.37) v2(29.02,78.47) v2(29.14,77.37) v2(29.14,76.37) v2(29.5,74.68) v2(29.52,72.11) v2(29.96,73.4) v2(30.02,83.47) v2(30.03,82.57) v2(30.02,81.52) v2(30.02,80.42) v2(30,79.4) v2(30,78.3) v2(30.04,77.07) v2(30.04,75.87) v3(9.36,89.82) v3(9.36,88.52) v3(9.37,91.08) v3(10.9,91.08) v3(10.92,89.82) v3(10.96,88.52) v3(19.48,91.08) v3(19.51,89.82) v3(19.52,88.52) v3(21.01,91.08) v3(21.03,89.82) v3(21.04,88.55) v3(29.46,90.94) v3(29.46,89.82) v3(29.46,88.91) v3(29.49,87.93)